# Altium PCB BytePipe_x9002_HDK_Rev2.PcbDoc (part 3 of 5)
Units mil, origin at the board's own origin, x right, y up, seen from the top; angles counter-clockwise.
Board outline 4250 x 4250 mil, 8 copper layers (Top Layer, L2-GND, L3-SIG, L4-GND, L5-PWR, L6-SIG, L7-GND, Bottom Layer), stack 63 mil thick; 296 components, 250 nets, 1198 pads, 2326 vias.
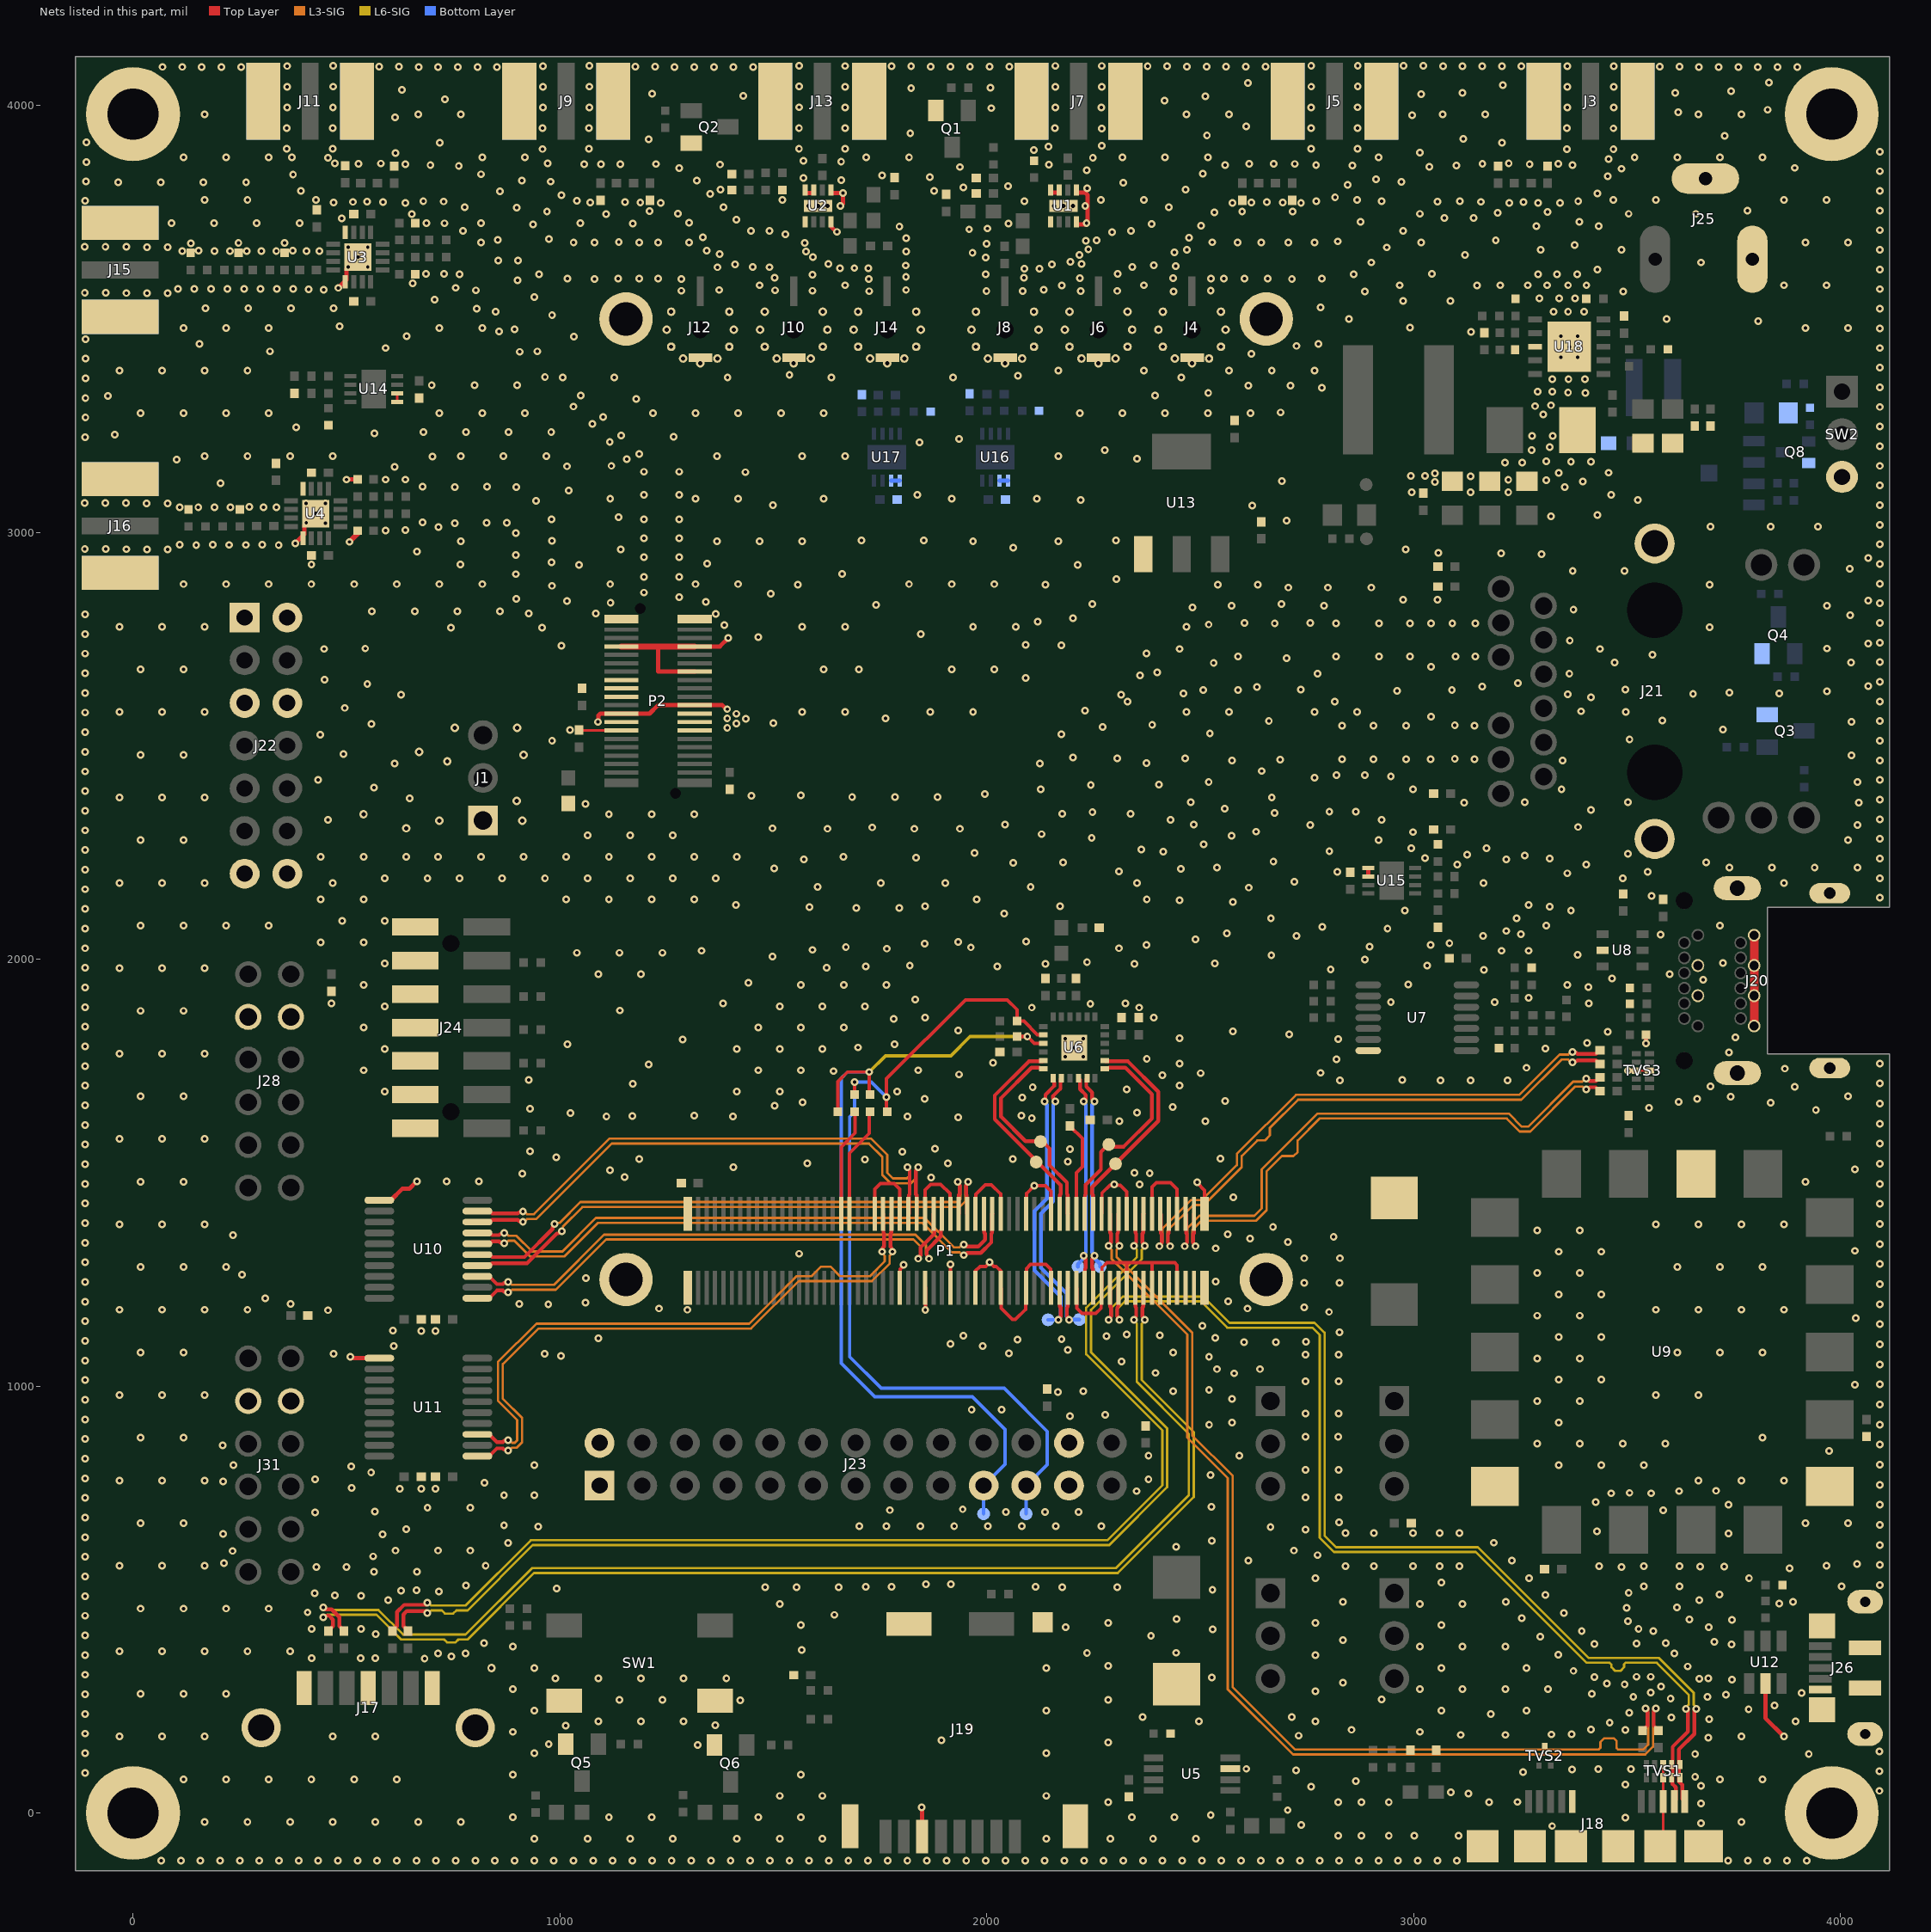
[diagram p9: the nets of this part, all layers, seen from the top]

## Via types
v1: diameter 18, hole 8, Top Layer to Bottom Layer, tented both sides, 2283 vias
v2: diameter 20, hole 10, Top Layer to Bottom Layer, tented both sides, 39 vias
v3: diameter 16, hole 8, Top Layer to Bottom Layer, tented both sides, 4 vias

## Nets (pads, with @x,y where several pads share a name; then routed paths per layer and width w, separated by ;. In a path a pad name is that pad's centre, name@x,y a point inside that pad or via, vN(x,y) a via of type N, cw(c..) or ccw(c..) an arc to the next point about the centre after c; other vN are vias at no path point) (continued)
GND: C1.2 C2.2 C3.2 C4.2 C5.2 C6.2 C7.2 C8.2 C9.2 C10.2 C11.2 C14.2 C15.2 C16.2 C17.2 C18.2 C19.2 C20.2 C23.2 C24.2 C26.2 C27.2 C28.2 C30.2 C33.2 C36.2 C37.2 C38.2 C39.2 C40.2 C43.2 C44.2 C45.2 C46.2 C47.2 C48.2 C49.2 C50.2 C51.2 C56.2 C57.2 C60.2 C61.1 C62.1 C63.1 C64.1 C65.2 C66.1 C67.2 C68.2 C69.1 C70.2 C71.2 C72.2 C73.1 C74.1 C75.2 C76.2 C77.2 C78.2 C79.2 C80.2 C82.2 C83.2 C85.2 C86.2 C88.2 C89.2 C91.2 C92.2 C93.2 C94.2 C95.2 C97.1 C98.2 C99.2 C100.2 C101.1 C102.1 C103.2 C104.2 D1.2 J1.1 J3.2 J4.2 J5.2 J6.2 J7.2 J8.2 J9.2 J10.2 J11.2 J12.2 J13.2 J14.2 J15.2 J16.2 J17.0 J17.1 J17.4 J17.7 J18.5 J18.8 J18.11 J18.12 J18.13 J18.14 J18.15 J18.16 J19.6 J19.M-1 J19.M-2 J19.M-3 J19.M-4 J20.0 J20.1 J20.7 J20.8 J20.13 J20.14 J20.19 J21.0 J22.1 J22.2 J22.5 J22.6 J22.13 J22.14 J23.1 J23.2 J23.23 J23.24 J24.1 J24.3 J24.5 J24.7 J24.9 J24.11 J24.13 J25.2 J25.3 J26.5 J26.SH J26.TH J28.5 J28.11 J31.5 J31.11 MH1.1 MH2.1 MH3.1 MH4.1 MH5.1 MH6.1 MH7.1 MH8.1 P1.05 P1.06 P1.11 P1.12 P1.17 P1.18 P1.23 P1.24 P1.29 P1.30 P1.35 P1.36 P1.41 P1.42 P1.47 P1.48 P1.53 P1.54 P1.59 P1.60 P1.65 P1.66 P1.71 P1.72 P1.77 P1.M1 P1.M2 P1.M3 P1.M4 P2.01 P2.02 P2.07 P2.08 P2.14 P2.15 P2.17 P2.19 P2.22 P2.23 P2.24 P2.25 P2.26 P2.27 P2.28 Q1.2 Q2.2 Q3.2 Q4.2 Q5.2 Q6.2 Q8.2 R2.1 R5.1 R13.2 R14.2 R15.2 R16.2 R17.2 R23.2 R24.2 R25.2 R26.2 R31.2 R38.1 R45.2 R46.2 R47.1 R50.1 R64.2 R67.1 R72.1 R74.1 R76.1 R80.1 R85.2 R86.2 R88.2 SW1.3 SW1.4 SW2.3 TVS1.3 TVS1.8 TVS2.3 TVS3.3 TVS3.8 U1.1 U1.3 U1.4 U1.5 U1.8 U1.9 U2.1 U2.3 U2.4 U2.5 U2.8 U2.9 U3.5 U3.16 U3.17 U4.5 U4.16 U4.17 U5.3 U6.25 U7.7 U8.2 U9.1 U9.7 U9.14 U10.11 U11.11 U12.5 U13.1 U14.5 U14.6 U15.5 U15.6 U16.5 U16.6 U17.5 U17.6 U18.8 U18.11 | length 4866.7
  Top Layer w6: R24.2@525.13,3123.91 R24.2@526.04,3124.81 ; U14.5@619,3306 U14.6@619,3326 ; C3.2@1045,2537 1045.9,2536.1 P2.27@1143.39,2536.1 ; C2.2@1393.39,2393.39 C2.2@1398,2398 ; TVS3.8@3524.5,1739 TVS3.3@3553.08,1739 TVS3.3@3555.5,1739 ; J18.15@3578,-78 3585,-71 TVS1.8@3585,82.5 TVS1.3@3585,113.5
  Top Layer w8: P1.77@1737.68,1403.61 1737.68,1461.68 1751,1475 1783.27,1475 1796.73,1461.54 P1.71@1796.73,1403.61 ; P1.72@1796.73,1230.39 1797.73,1231.39 1797.73,1274.03 1805,1281.29 v1(1805,1284) ; P1.65@1855.79,1403.61 1855.79,1459.79 1869,1473 1891.9,1473 1913.84,1451.06 1913.84,1404.61 P1.59@1914.84,1403.61 ; v1(1856.24,1178.31) 1857,1179.07 P1.66@1857,1231 ; P1.60@1914.84,1230.39 1915.42,1230.96 v1(1915.42,1285.42) ; P1.54@1973.9,1230.39 1973.9,1269.84 1984.44,1280.39 1997.39,1280.39 v1(2007,1290) 2016.61,1280.39 2022.41,1280.39 2032.95,1269.84 P1.48@2032.95,1230.39 2033.95,1229.39 2033.95,1182.94 2060.63,1156.26 2067.26,1156.26 2091.01,1180.01 2091.01,1229.39 P1.42@2092.01,1230.39 2093.01,1231.39 2093.01,1275.01 2102.93,1284.93 2120.93,1284.93 2138.93,1284.93 2150.06,1273.79 2150.06,1231.39 P1.36@2151.06,1230.39 ; P1.53@1973.9,1403.61 1974.9,1404.61 1974.9,1449.9 1997,1472 2011,1472 2033,1450 2033,1403.66 P1.47@2032.95,1403.61 ; P1.41@2092.01,1403.61 2093.01,1404.61 2093.01,1451 v1(2112.01,1470) 2138,1470 2151.06,1456.94 P1.35@2151.06,1403.61 ; C46.2@2195,1610 2195,1609 2224,1580 2224,1514 2210.12,1500.12 P1.29@2210.12,1403.61 ; P1.30@2210.12,1230.39 2211.12,1229.39 2211.12,1182.94 2223.67,1170.39 2255.56,1170.39 2268.17,1183 2268.17,1229.39 P1.24@2269.17,1230.39 2270.17,1231.39 2270.17,1277.77 2281.4,1289 2332,1289 ; P1.23@2269.17,1403.61 2270.17,1404.61 2270.17,1452.17 2289,1471 2312.84,1471 2328.23,1455.61 P1.17@2328.23,1403.61 ; P1.18@2328.23,1230.39 2328.23,1285.23 2332,1289 ; P1.12@2387.28,1230.39 2387.28,1289 ; P1.11@2387.28,1403.61 2387.28,1466.28 2398,1477 2431,1477 2446.34,1461.66 P1.05@2446.34,1403.61 ; P1.06@2446.34,1230.39 2446.34,1283.66 2441,1289 2387.28,1289 ; v1(2493,1478) 2493,1476.24 2510.31,1458.92 P1.M1@2510.31,1403.61 ; 2332,1289 2387.28,1289
  Top Layer w10: v1(380.14,2974.49) 401,2995.35 401,3017 U4.17@428,3044 ; v1(481,3572.96) 500,3591.96 500,3618 v1(504,3622) v1(527,3645) ; v1(500.04,3123.81) 500.13,3123.91 525.13,3123.91 525.91,3123.91 R24.2@526,3124 ; v1(509,1069) 511.16,1069 514.66,1065.5 U11.11@577,1065.5 ; U10.11@577,1435.5 604,1435.5 630.82,1462.32 647.32,1462.32 v1(665,1480) ; v1(1089.02,2555.86) 1090.55,2557.39 1090.55,2571.15 1094.87,2575.47 P2.23@1144,2575.47 1210.31,2575.47 1230,2595.16 P2.22@1316,2595.16 1380.68,2595.16 1389.84,2586 v1(1392,2586) ; P2.07@1143.39,2732.95 P2.07@1144,2732.95 ; 1230,2732.95 1230,2673.9 P2.14@1316,2673.9 P2.14@1316.61,2673.9 ; P2.08@1316,2732.95 1374.98,2732.95 v1(1394.79,2752.76) ; P2.02@1316,2797 P2.02@1317.35,2798.35 ; U2.4@1575,3795 U2.3@1595,3795 ; U2.8@1635,3721 1635,3717 1648.02,3703.98 v1(1648.88,3703.98) ; U2.1@1635,3795 v1(1663,3795) v1@1663,3770 ; v1(1848,13) 1848.5,12.5 1848.5,-60.5 J19.6@1849,-61 ; U1.4@2150,3796 U1.3@2170,3796 ; U1.8@2210,3722 2231,3722 v1(2233.93,3724.93) 2236.86,3727.86 2236.86,3790.14 2231,3796 U1.1@2210,3796 ; U15.6@2894,2194 U15.5@2894,2214 ; v1(3502,1739) TVS3.8@3522.08,1739 TVS3.8@3524.5,1739 ; v1(3545,1803) R50.1@3545,1823 ; U12.5@3824.5,303 3824.5,222.56 v1(3868.03,179.03)
  Top Layer w12: v1(507.04,2977.81) 526,2996.77 R23.2@526,3004
  Top Layer w14: P2.07@1144,2732.95 1230,2732.95 P2.08@1316,2732.95
  Top Layer w20: J20.1@3798.11,1843.7 J20.7@3798.11,1914.57 J20.13@3798.11,1985.43 J20.19@3798.11,2056.3
  Bottom Layer w10: U17.6@1776,3121 U17.5@1796,3121 ; U16.6@2030,3121 U16.5@2050,3121
  other v1: 66,-112 112,-112 158,-112 204,-112 250,-112 296,-112 342,-112 388,-112 434,-112 480,-112 526,-112 572,-112 618,-112 664,-112 710,-112 756,-112 802,-112 848,-112 894,-112 940,-112 986,-112 1032,-112 1078,-112 1124,-112 1170,-112 1216,-112 1262,-112 1308,-112 1354,-112 1400,-112 1446,-112 1492,-112 1538,-112 1584,-112 1630,-112 1676,-112 1722,-112 1768,-112 1814,-112 1860,-112 1906,-112 1952,-112 1998,-112 2044,-112 2090,-112 2136,-112 2182,-112 2228,-112 2274,-112 2320,-112 2366,-112 2412,-112 2458,-112 2504,-112 2550,-112 2596,-112 2642,-112 2688,-112 2734,-112 2780,-112 2826,-112 2872,-112 2918,-112 2964,-112 3010,-112 3056,-112 3102,-112 3737,-112 3783,-112 3829,-112 3875,-112 3921,-112 940,-60 1065,-60 1165,-60 1265,-60 1415,-60 1515,-60 1615,-60 2140,-60 2290,-60 2390,-60 2490,-60 3105.37,-53.63 2823.19,-53.06 2878,-53 2942,-53 3001.77,-53.06 3324.72,-30.53 2736.76,-28.45 3674,-24 168.03,-20.97 268.03,-20.97 368.03,-20.97 468.03,-20.97 568.03,-20.97 668.03,-20.97 768.03,-20.97 3768.03,-20.97 3496,-11 890,-10 1115,-10 1215,-10 1465,-10 1565,-10 2340,-10 2440,-10 2525,-5 2705.27,6.7 3674,22 2285,25 2823.19,24.94 2878,25 2942,25 3177.54,25.7 3243.82,25.86 1515,40 1615,40 2140,40 3128.44,45.4 3087.1,48.63 4092,52 2760.42,61.85 3674,64 3496,67 2865,75 118.03,79.03 218.03,79.03 318.03,79.03 418.03,79.03 518.03,79.03 618.03,79.03 3718.03,79.03 3818.03,79.03 3660,85 890,90 1565,90 -112,94 3257.13,95.55 4092,98 2725,100 3371.23,102.09 2608.57,103.4 3433.16,102.78 3509.17,103.01 3660,138 3926,138 -112,140 940,140 2140,140 4092,144 1323,159 974,161 2285,165 1894,170 3691.15,176.15 -31.97,179.03 68.03,179.03 168.03,179.03 468.03,179.03 568.03,179.03 3768.03,179.03 2731,181 3111,183 3215,183 3323,184 3370.84,184.51 -112,186 890,190 3015,190 3496.81,194.37 2855,195 3415.4,195.65 1960,202 1014,205 1364,206 3459.61,211.31 2497.67,214.29 1090,215 1190,215 1290,215 2770,215 3895,215 3693,220 3604,224 2365,225 2715,225 -112,232 3181,232 3505.85,234.85 940,240 2140,240 3065,240 3265,240 3785,243 3846,252 1423,264 1140,265 1240,265 2285,265 2925,266 3602.59,268.26 3515,272 3689.15,271.85 3732,277 -112,278 18.03,279.03 118.03,279.03 218.03,279.03 3418.03,279.03 3909,281 3556,282 2770,285 890,290 3015,290 3115,290 3215,290 3315,290 3580,296 3494.85,301.15 3453,303 2835,305 3746,312 3670,314 990,315 1090,315 1190,315 1290,315 1390,315 3691,315 2527.32,317.03 3424,318 3523,319 3556,319 -112,324 3375,333 940,340 2140,340 3065,340 3265,340 3642.15,343.15 2285,345 683,362 419,363 533,363 568,363 746,367 -112,370 2770,370 3339,371 715,374 779,374 3611.15,374.15 2235,375 2443.55,375.31 -31.97,379.03 68.03,379.03 168.03,379.03 268.03,379.03 368.03,379.03 1567,382 890,390 3015,390 3115,390 3215,390 3745,395 3424,396 3523,397 822,398 3591,398 3704.85,401.15 2835,405 3297,413 2385,415 -112,416 569,419 3394.15,426.15 3562,426 2529.31,430.41 419,431 534,431 3527.15,430.85 2185,435 3692,435 1565,440 3065,440 2285,445 2770,445 3502,449 3746,452 3646.15,453.15 2444.88,454.27 3254,456 -112,462 1643,464 3352.15,468.15 409,470 18.03,479.03 118.03,479.03 218.03,479.03 318.03,479.03 3499,481 3617.15,481.15 1515,490 3015,490 3115,490 3857,491 2835,495 3216,495 3889,495 598,499 3670,499 -112,508 534,509 473,510 3309.15,511.15 3717,512 426,515 3504,516 717,519 628,521 664,522 2529.02,522.99 993,526 1481,529 1555,529 1653,529 2177,529 2306,529 1717,530 1777,530 2115,530 3540,531 3623,531 4003,531 780,533 4093,534 1858,536 1916,536 3065,540 2770,550 3271.15,550.15 3786,550 -112,554 565,565 665,565 3881,573 430,576 500,576 3487.77,576.23 3672,577 3728,577 2841,578 2907,578 2999,578 3061,578 3108,578 3435,578 3540,578 3623,578 -31.97,579.03 68.03,579.03 168.03,579.03 826,579 3968.03,579.03 4093,581 4039,583 213,585 2613.39,591.09 3230.15,591.15 -112,600 563,601 2775,604 233,614 615,615 715,615 790,615 2720,615 2444.31,623.39 4093,628 879,633 3188.15,633.15 2527.14,637.67 -112,646 585,653 211,654 3738,655 2841,656 2907,656 2999,656 3061,656 3108,656 3430,660 2747,664 640,665 2665,670 949,671 1702,672 1765,672 1844.4,672 1923.8,672 2003.2,672 2082.6,672 2162,672 2269,672 869.29,673.58 4093,675 18.03,679.03 118.03,679.03 3918.03,679.03 4018.03,679.03 2826,681 -112,692 427,704 2045,705 2137.14,705 2215,705 567,706 3585,709 1773.28,709.65 1943.91,711.69 690,715 790,715 2526.21,717.08 3738,722 4093,722 3427,728 -112,738 2747,739 2825,739 869.29,744.29 940,744.29 3463,749 3557,749 3506,750 2351,754 3622,754 3709,755 625,760 675,760 709,760 511.85,761.15 4093,769 823.58,773.58 211,777 -31.97,779.03 68.03,779.03 168.03,779.03 3668.03,779.03 3768.03,779.03 3868.03,779.03 427,782 2379,782 -112,784 2524.66,791.84 558,798 2747,804 2825,804 511,812 235,815 940,815 3340,815 3440,815 3540,815 4093,816 -112,830 2379,837 2591.94,836.89 3974,848 210,861 4093,863 3290,865 3390,865 3490,865 3590,865 -112,876 18.03,879.03 118.03,879.03 3818.03,879.03 2747,881 2824,881 2521.01,909.48 4093,910 2575,915 3340,915 -112,922 2195,930 2277.81,932.79 2747,936 2825,936 1965,945 2035,945 4093,957 3290,965 3390,965 -112,968 2575,970 -31.97,979.03 68.03,979.03 168.03,979.03 3568.03,979.03 3668.03,979.03 2167,986 2226.25,988.46 2437,988 2521,991 4034,1003 4093,1004 2747,1011 2825,1011 -112,1014 3340,1015 3440,1015 2580,1030 2396,1031 2540,1040 2640,1040 4093,1051 2316,1058 -112,1060 3290,1065 3390,1065 2521,1069 1003,1071 2747,1074 2825,1074 470,1076 964,1076 2052,1077 18.03,1079.03 118.03,1079.03 2437,1079 3618.03,1079.03 3718.03,1079.03 3818.03,1079.03 2189.81,1084.9 611,1094 1991,1094 4093,1098 1915,1099 2603,1103 2678,1103 2748,1104 -112,1106 2072,1109 2175.54,1110.43 1090,1112 2536,1113 3340,1115 3440,1115 2281,1117 1945,1118 2405.95,1119.39 2328,1121 2827,1126 675,1129 709,1129 609,1130 2505,1141 4093,1145 -112,1152 4036,1159 3290,1165 3390,1165 2802,1173.95 457,1178 -31.97,1179.03 68.03,1179.03 168.03,1179.03 268.03,1179.03 1299,1179 3568.03,1179.03 3668.03,1179.03 3768.03,1179.03 3868.03,1179.03 1232,1182 2611,1182 2744,1184.62 973,1192 4093,1192 369,1193 905,1193 1060,1196 -112,1198 2566,1199 310.15,1205.85 3340,1215 3440,1215 4093,1239 2744,1242.23 2827,1241.9 -112,1244 2537,1245 1061.15,1253.15 255,1261 3290,1265 3390,1265 18.03,1279.03 118.03,1279.03 218.03,1279.03 3618.03,1279.03 3718.03,1279.03 3818.03,1279.03 4093,1286 -112,1290 2744,1299.85 2828,1299.85 1561,1310 3340,1315 3440,1315 4034,1317 2537,1323 4093,1333 -112,1336 2706,1338 2616.85,1345.85 2813,1350 233.85,1353.85 2565.15,1356.15 3290,1365 3390,1365 2671,1373 -31.97,1379.03 68.03,1379.03 168.03,1379.03 3568.03,1379.03 3668.03,1379.03 3768.03,1379.03 3868.03,1379.03 4093,1380 -112,1382 4093,1427 -112,1428 2578.29,1442.07 2299,1473 2358,1473 -112,1474 4093,1474 18.03,1479.03 118.03,1479.03 3918.03,1479.03 735,1480 810,1480 1870,1489 1151.85,1490.15 912,1498 2382,1499 2346.33,1500 1117.49,1505.88 4034,1508 1407,1513 -112,1520 4093,1521 1580,1522 1909,1522 2190,1526 1714.69,1530.63 1186,1532 2061,1532 2548,1533 992,1536 1802,1549 930,1550 2195,1555 1879,1556 -112,1566 4093,1568 -31.97,1579.03 68.03,1579.03 168.03,1579.03 -112,1612 4093,1615 2311,1621 2512,1621 2106,1627.78 1933,1630 1109,1632 1406,1632 1814.86,1632 1170,1633 1315,1634 2081,1634 1025,1640 2352,1641 3943,1647 930,1650 3552,1652 2436,1654 1503.29,1657.05 -112,1658 4093,1662 3837,1664 1569,1665 3621,1666 2559,1668 1855,1673 3665,1673 2083,1676 3743,1678 18.03,1679.03 118.03,1679.03 4018.03,1679.03 590,1690 1415,1690 1515,1690 1790,1690 2328,1695 2108,1700 3893,1701 3696,1702 -112,1704 2452,1704 1171,1708 4093,1709 2828,1716 3063,1716 3134,1716 3220,1716 927,1717 2974,1717 2412,1728 1935,1730 2501,1733 2782,1734 1641,1738 540,1740 1465,1740 1565,1740 1840,1740 3870,1744 3265,1746 -112,1750 1208,1754 2452,1756 4093,1756 2014.54,1757.29 2820,1766 2375,1767 2184,1772 2226,1772 -31.97,1779.03 68.03,1779.03 168.03,1779.03 3739,1782 590,1790 1415,1790 1515,1790 1615,1790 3309,1791 1698.58,1793.42 2205,1793 -112,1796 1018,1801 1784,1801 3407,1804 1288,1812 2824,1812.67 2184,1814 2226,1814 2452,1815 3754,1817 2709,1824 3455,1830 2577,1831 1933,1833 540,1840 1465,1840 1565,1840 1665,1840 -112,1842 1782.58,1860.42 1856,1863 2391.25,1863 18.03,1879.03 118.03,1879.03 1141,1880 2106,1887 2357,1887 -112,1888 590,1890 1515,1890 1615,1890 1715,1890 2243,1896 465,1897 1382,1897 2325,1897 3411,1897 2947,1900 3190,1900 1832.58,1905.42 3270,1910 -112,1934 3410,1935 540,1940 1565,1940 1665,1940 1765,1940 3360,1940 2988,1941 1442,1945 3679,1952 3465,1955 1090,1965 1190,1965 3600,1965 3165,1975 2806,1976 -31.97,1979.03 68.03,1979.03 168.03,1979.03 -112,1980 1625,1980 1717,1983 2025,1983 1820,1985 3032,1985 2138,1989 2346.33,1989 590,1990 2535,1990 3725,1991 2235,1993 2886,1999 1498,2006 2667,2009 3385,2010 1040,2015 1140,2015 1240,2015 1332,2020 3206,2020 3270,2020 1592,2022 1766,2025 -112,2026 2310,2026 1963,2028 1670,2029 2897,2030 3040,2033.47 2374,2034 1855,2037 3084,2038 440,2040 540,2040 1933,2041 2092,2042 2489,2047 2726,2055 3163,2055 3579,2058 3252,2059 2563,2061 3217,2066.33 -112,2072 2939,2072 2786,2076 18.03,2079.03 118.03,2079.03 218.03,2079.03 318.03,2079.03 3311.37,2079 3718.03,2079.03 490,2090 590,2090 2666,2096 3241.37,2096 2041,2107 2980,2114 3368.99,2114 -112,2118 1695,2120 1795,2120 1585,2122 3319,2122.89 1856,2124 2172,2124 1413,2127 3270,2127.07 2577,2134 2452,2138 440,2140 540,2140 1015,2140 1115,2140 1215,2140 1315,2140 1977,2140 2375,2140 4093,2144 3558,2148 -112,2164 2614,2168 1604,2170 2103,2170 -31.97,2179.03 68.03,2179.03 168.03,2179.03 468.03,2179.03 1752,2179 1903,2179 2352,2179 3164,2179 3868.03,2179.03 2721,2182 590,2190 690,2190 765,2190 865,2190 965,2190 1065,2190 1165,2190 1265,2190 1365,2190 3490,2190 4093,2190 3360,2201.33 2822,2205 3548.61,2205.07 2310,2206 -112,2210 2455,2212 1502,2213 2540,2215 3740,2215 3840,2215 3940,2215 4040,2215 3103,2222 3405,2222 2062,2226 2179,2227 3686,2227 2672,2229 1572,2234 3217,2234 3319,2236 4093,2236 3027,2237 1835,2238 440,2240 540,2240 640,2240 715,2240 815,2240 915,2240 1015,2240 1115,2240 1215,2240 1315,2240 1415,2240 1664,2240 3261,2242.77 3126,2245 3502,2247.32 1972,2249 2414,2252 2803,2253 -112,2256 2362,2257 2995,2260 3171,2260 2508,2269 18.03,2279.03 118.03,2279.03 2918.03,2279.03 4018.03,2279.03 4093,2282 2246,2284 2574,2289 1065,2290 1165,2290 1265,2290 2129,2293 2999,2298 2631,2299 -112,2302 1627,2306 1831,2306 1937,2306 1498,2307 1732,2309 3386,2310 2758,2315 4040,2315 2043,2316 2485,2316 457,2327 2431,2327 2924.98,2327 4093,2328 1115,2340 1215,2340 1315,2340 2177,2341 2337,2341 2675,2343 2248,2345 2803,2346.23 2864.98,2346.23 -112,2348 3416,2350 2558,2353 1060,2364 3119,2367 4043,2367 2478,2368 3261,2368.33 3502,2368.33 4093,2374 648,2377 -31.97,2379.03 68.03,2379.03 168.03,2379.03 2668.03,2379.03 1685,2380 1785,2380 1885,2380 1449,2383 1565,2384 1996,2387 -112,2394 2127,2398 2999,2398 3346.82,2398 565,2402 2244,2408 2404,2409 2520,2415 4040,2415 434,2420 4093,2420 2768,2425 2947,2428 2820,2431.63 2886,2431.63 -112,2440 2644,2441 613,2459 2125,2459 2374,2460 2575.01,2466 3349.55,2466 4093,2466 2687.28,2468 2833,2469 2906,2469 2983,2469 3040,2469 3143,2469 3097,2470 2306,2471 2465,2471 2202,2473 4026,2478 18.03,2479.03 118.03,2479.03 493,2481 -112,2486 982,2512 4093,2512 3506,2515 439,2526 2175,2527 2523,2529 -112,2532 1023.98,2537.08 3725,2538 1392,2542 2272,2544 2833,2547 2906,2547 2983,2547 3143,2547 3097,2548 2388,2549 559,2551 1414,2552 1500,2553 4026,2556 2661,2558 4093,2558 3583,2559 1436,2563 1392,2564 1762.73,2564 3041,2568 1414,2575 -112,2578 -31.97,2579.03 68.03,2579.03 168.03,2579.03 1568.03,2579.03 1668.03,2579.03 1868.03,2579.03 1968.03,2579.03 2468.03,2579.03 2568.03,2579.03 2768.03,2579.03 2868.03,2579.03 3497.23,2579.03 3393,2581 2230.15,2582.15 496,2589 2330,2604 2815.74,2604 4093,2604 3416,2613.72 628,2620 2315,2620 3361,2621 3655,2622 2461,2623 3857,2623 -112,2624 3740,2625 3969,2628 2962,2629 2507,2631 2589,2631 3090,2631 2736,2632 3496,2632 2633,2638 3161,2639 4065,2640 549,2645 3245,2647 4093,2650 449,2655 2091,2659 2359,2665 2775.37,2669 3365,2669 -112,2670 2400,2672 18.03,2679.03 118.03,2679.03 1618.03,2679.03 1701,2679 1918.03,2679.03 2018.03,2679.03 3041,2685 2532,2694 3471,2695 4025,2695 4093,2696 2703,2705 2589,2709 2819,2709 2919,2709 2992,2709 3099,2709 3145,2709 3560,2713 -112,2716 2374.33,2716.67 448,2727 2452.25,2727 3437,2727 544,2728 3969,2728 1003.53,2734.59 2175,2736 2091,2737 4065,2740 4093,2742 3366,2747 1465,2755 -112,2762 1846,2762 745,2777 958.32,2777.09 3694,2778 -31.97,2779.03 68.03,2779.03 168.03,2779.03 1568.03,2779.03 1668.03,2779.03 1968.03,2779.03 2068.03,2779.03 2468.03,2779.03 1385.66,2782.5 2520,2784.37 2675.03,2787 2819,2787 2919,2787 2992,2787 3041,2787 3091,2787 3145,2787 2604.12,2788 2758,2788.02 4093,2788 2119.85,2791.15 2202,2799.26 4023,2806 -112,2808 1365,2809 926.85,2809.86 1084.16,2809.86 560,2815 660,2815 760,2815 860,2815 3375,2819 2482.63,2824.37 2573.55,2828 2789.99,2828 3969,2828 1741,2830 2247.63,2832.41 2691.04,2832.41 4093,2834 1119,2835 1342,2837 1016.98,2839.03 4065,2840 2975.66,2842 3056,2842 897.62,2844.3 1280,2848 1494,2856 1197,2859 2707,2871 2799.37,2871 2901.08,2871 981.55,2875.02 1558,2878 2138,2878 2541.63,2878 2634.99,2878 3694,2878 118.03,2879.03 218.03,2879.03 318.03,2879.03 418.03,2879.03 518.03,2879.03 618.03,2879.03 718.03,2879.03 818.03,2879.03 1118.03,2879.03 1318.03,2879.03 1418.03,2879.03 1818.03,2879.03 1918.03,2879.03 2018.03,2879.03 4093,2880 2304.32,2890.72 1197,2896 1280,2896 897.19,2902.27 1661,2903 3373,2910 3494,2910 4022,2915 1045,2924 2212.9,2924 418.04,2924.81 767,2925 4093,2926 1345,2927 980.25,2930.39 4065,2940 1197,2942 1280,2942 897.19,2947.26 3300,2949 3205,2951 3058,2952 665,2955 32.76,2960.23 81.27,2960.23 1143,2960 2982.02,2960.37 -112.76,2960.86 -64.25,2960.86 -15.74,2960.67 2062,2964.26 148.14,2970.47 341.48,2970.47 109.47,2970.97 186.81,2970.97 225.47,2970.72 264.14,2970.72 302.81,2970.97 4093,2972 768.03,2979.03 1368.03,2979.03 1468.03,2979.03 1568.03,2979.03 1968.03,2979.03 2168.03,2979.03 981.98,2980.57 1707,2981 1853,2981 2303.37,2981 1197,2986 1280,2986 896.84,2998.86 592.04,3004.81 638.04,3005.81 716.04,3012.81 3696.23,3013.23 3836.38,3013.23 3947.45,3013.23 4093,3018 451.04,3021.81 754,3022 875.44,3022.2 406,3023 828.7,3022.55 678.04,3023.81 2703,3027.58 980.94,3030.62 1197,3031 1280,3031 1138,3036 3321.96,3037.62 3430.73,3041 428.04,3044.81 109.19,3058.95 153.14,3059.23 190.9,3058.66 228.37,3059.23 272.89,3059.51 305.78,3059.3 336.36,3059.01 2621.79,3062.5 1499,3064 4093,3064 32.25,3068.16 80.76,3068.16 405.04,3067.81 451.04,3067.81 -113.28,3068.78 -64.77,3068.78 -16.26,3068.59 944.23,3074.1 2220.12,3075.65 3525.77,3075.84 1118.03,3079.03 1318.03,3079.03 1418.03,3079.03 1618.03,3079.03 1918.03,3079.03 2118.03,3079.03 1197,3088 1280,3088 1838,3088 3463,3088 2996,3094 3134,3094 3222,3094 1021,3098 754,3106 898.29,3106.33 3354,3106 678.04,3106.81 829.39,3107.02 4093,3110 205,3115 3050,3118 3397,3119 2692.07,3120.12 3311,3122 3222,3123 592.04,3123.81 638.04,3123.81 3134,3131 2994,3132 3027,3132 3050,3138 3340,3139 3457.07,3139.96 1435,3141 1197,3142 1280,3142 612.61,3153.87 1017,3155 1121,3156 4093,3156 3214,3164 3255,3164 3369,3166 3416,3166 3311,3167 102,3171 1157,3172 2352,3172.6 702,3178 168.03,3179.03 268.03,3179.03 368.03,3179.03 468.03,3179.03 768.03,3179.03 868.03,3179.03 968.03,3179.03 1368.03,3179.03 1568.03,3179.03 1668.03,3179.03 2168.03,3179.03 1186,3184 2276.37,3193 3277,3193 3319,3200 4093,3202 1843,3211 1117,3212 1935,3219 -112,3223 1267,3224 3278,3226 3326,3226 1144,3227 -43,3229 566,3232 680,3235 780,3235 880,3235 980,3235 382,3246 4093,3248 1076,3254 -111.63,3269 1101,3270 3304,3276 18.03,3279.03 118.03,3279.03 218.03,3279.03 318.03,3279.03 718.03,3279.03 818.03,3279.03 918.03,3279.03 1218.03,3279.03 1318.03,3279.03 1418.03,3279.03 1518.03,3279.03 1618.03,3279.03 2218.03,3279.03 2318.03,3279.03 2418.03,3279.03 2518.03,3279.03 2618.03,3279.03 2689,3281 4093,3294 1032,3295 3285,3296 3322,3298 1179,3313 -111.63,3315 -59,3320 1049,3321 2395,3321 2519,3327 3403,3327 3362,3328 3291,3330 3325,3330 2785.42,3338.74 4093,3340 2613,3344 2712,3344 700,3345 800,3345 900,3345 3325,3359 3363,3359 3402,3359 -111.44,3361 1007,3363 1128,3363 1393,3363 1636,3363 1921,3363 2456,3363 965,3364 2073,3367 1538,3369 -31.97,3379.03 68.03,3379.03 168.03,3379.03 268.03,3379.03 2168.03,3379.03 2368.03,3379.03 2568.03,3379.03 2668.03,3379.03 2768.03,3379.03 4093,3386 -111,3407 3345,3410 3385,3410 2620,3418 906,3423 321,3424 947,3424 592,3432 4093,3432 3365,3435 2726,3437 156,3442 2777,3442 -111,3453 1033,3459 641,3460 3345,3460 3385,3460 3135,3470 858,3471 894,3476 4093,3478 118.03,3479.03 218.03,3479.03 318.03,3479.03 718.03,3479.03 818.03,3479.03 3918.03,3479.03 4018.03,3479.03 2992,3480 484,3483 3808,3495 2848.42,3500 3592.74,3500 982,3509 850,3517 3327.96,3517 3361.98,3517 3399.63,3517 805,3524 4093,3524 170,3525 270,3525 370,3525 470,3525 2782,3527 2975.99,3542.62 3086.74,3542.62 707,3545 3294.96,3548.5 3341.37,3548.5 3378.33,3548.5 940,3551 32.77,3560.45 81.28,3560.45 -112.76,3561.08 -64.25,3561.08 -15.74,3560.89 1725,3565 1999.34,3565.46 2084.74,3565.29 2437.66,3564.86 2886.38,3564.56 3491.65,3564.56 1285,3566 1592,3566 2220.12,3565.72 2306.36,3565.92 2525.01,3566.41 803,3567 1504,3567 1373,3568 1811,3568 446.83,3568.91 2133.81,3568.69 144.01,3570.42 337.35,3570.42 375.67,3570.19 411.4,3569.9 4093,3570 105.35,3570.92 182.68,3570.92 221.35,3570.67 260.02,3570.67 298.69,3570.92 756,3573 2175.64,3578.39 3148.74,3578.39 1468.03,3579.03 1668.03,3579.03 2368.03,3579.03 2968.03,3579.03 3203.65,3579.03 3267.98,3579.03 3313.02,3579.03 3362,3579.03 3405.26,3579.03 3868.03,3579.03 3968.03,3579.03 654.87,3583.31 901,3591 1723.91,3593.39 1081.35,3593.96 1136.42,3594.49 1186.16,3594.44 1284.96,3594.07 2658.59,3594.47 2715.3,3594.02 2785.42,3594.47 1017.81,3595.02 1230.22,3594.81 2217.96,3595.3 2525.41,3594.83 2555.87,3594.91 2604.1,3594.91 2436.97,3596.09 1502.83,3596.66 2087,3597 1810.93,3598.33 1591.56,3603.49 1997.98,3604.3 765,3605 951.09,3604.55 2307.09,3605.43 2859.55,3604.74 3042.98,3605.43 3292.02,3604.74 3335.96,3604.74 3383.33,3604.74 686.88,3606 728.62,3605.8 3430.73,3616 4093,3616 2088,3618 2124,3618 1656.63,3618.84 1690.07,3619.35 1723.21,3619.16 1369.38,3621.32 1490.85,3621.35 550,3622 1451.91,3621.67 2340.81,3621.56 2442.89,3623.94 1810.59,3625.39 2391.23,3625.73 1410.37,3628.17 2153,3628 1629.07,3628.8 2222,3629 2901.53,3632.43 3674,3632.43 2196,3634 856,3637 902.38,3637.38 1998,3644 1592.67,3645.3 2217,3650 3121.02,3650 1374.03,3651.85 1967,3655 2439.56,3656.33 1577,3658 1811.09,3657.86 115.1,3659.52 190.96,3659.28 226.87,3659.17 266.27,3658.89 300.54,3658.89 335.54,3659.25 406.15,3659.25 436.44,3659.5 153.77,3660.03 374.1,3660 1344.33,3660.47 2469.24,3662.35 3297.9,3662 3487.01,3662 4093,3662 2238,3663 32.6,3668.39 81.11,3668.39 504,3668 550,3668 2937.7,3667.7 -112.93,3669.02 -64.42,3669.02 -15.91,3668.82 3377.26,3673.5 2000,3676 135.13,3677.11 246.91,3678.2 354.9,3677.93 1574.14,3678.04 815,3679 1032.39,3678.93 1081.35,3679.33 1186.16,3679.44 1230.22,3679.33 1302.52,3678.96 2587.58,3679.32 2642.96,3678.87 2706.84,3679.46 2768,3678.95 3018.03,3679.03 3918.03,3679.03 4018.03,3679.03 1138.17,3679.88 2528.63,3679.76 2822.88,3681.76 2232,3683 2257.61,3684.06 3192.74,3684.06 855,3685 974.9,3686.97 1811.09,3689.76 2473.98,3690.06 1335.39,3691.68 1528.83,3698.53 2293.52,3703.24 773.4,3706.09 1448.05,3706.08 1491.14,3706.38 2975.66,3706.11 2338.51,3706.73 4093,3708 1959,3710 2002,3712 1795.79,3716.21 3287.74,3717.38 3434.35,3717.38 2502.5,3718.57 937.51,3721.95 2386.35,3722.88 687.29,3724.32 730.04,3724.12 815.44,3724.25 1171,3724 2051,3724 90,3725 190,3725 290,3725 390,3725 1048,3725 1302.48,3725.41 2875.82,3727.3 3389.01,3727.3 1413.39,3732.3 489,3736 3072.01,3737 3141.02,3737 653,3745.81 1108.42,3745.56 3015.41,3746.3 3504.01,3746.3 3661.5,3746.3 1277,3747 3197.16,3748.53 2533.44,3749.86 3314.17,3750.77 970,3752 2598.52,3751.75 2716.52,3751.75 1209.92,3752.57 3782.55,3754 4093,3754 